# KiCad board brownbox.kicad_pcb
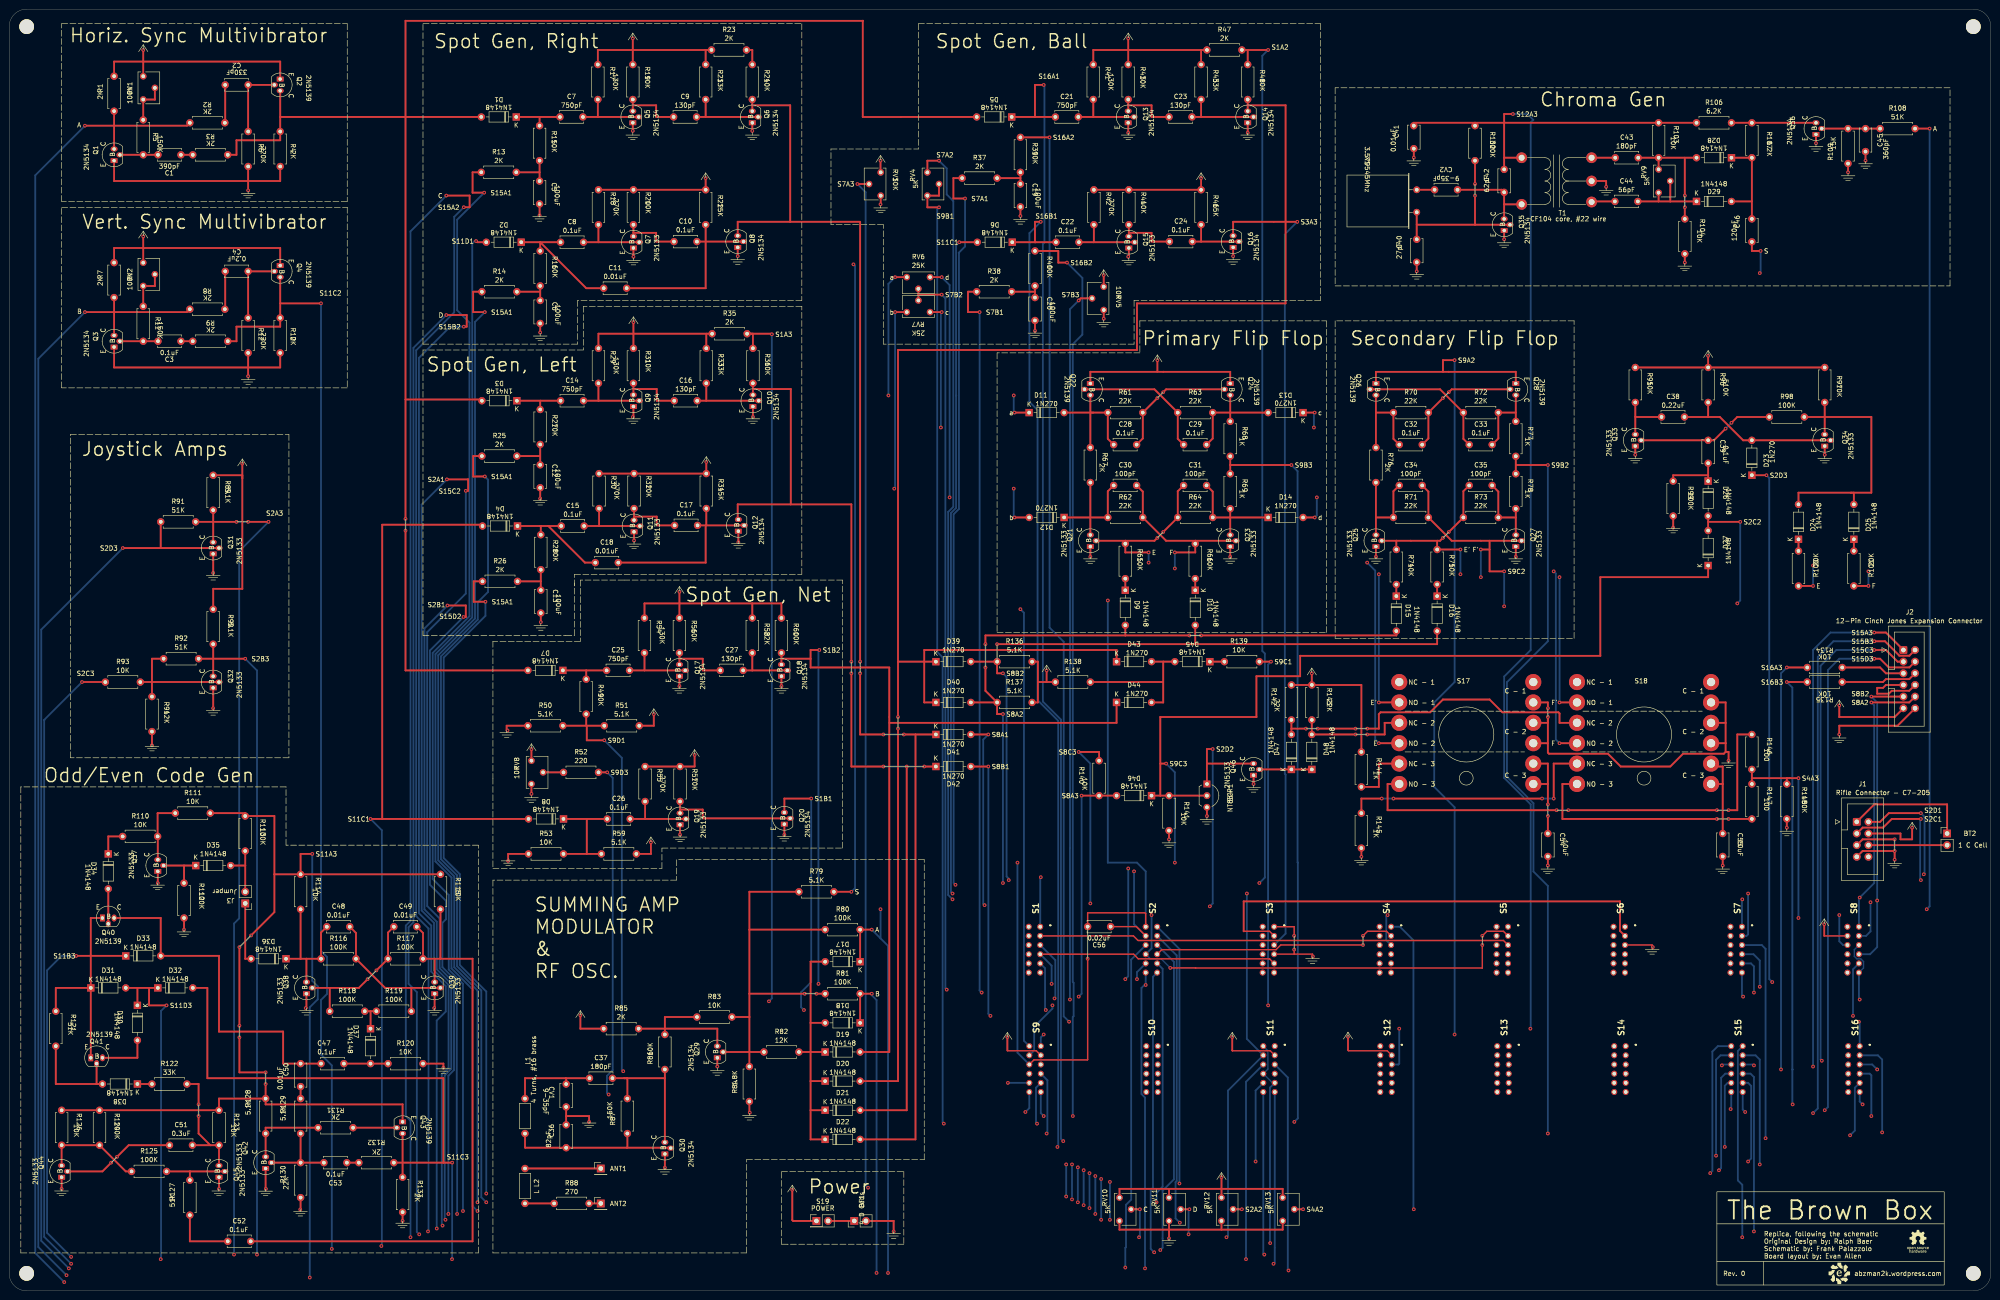
[diagram p0: board, top side]
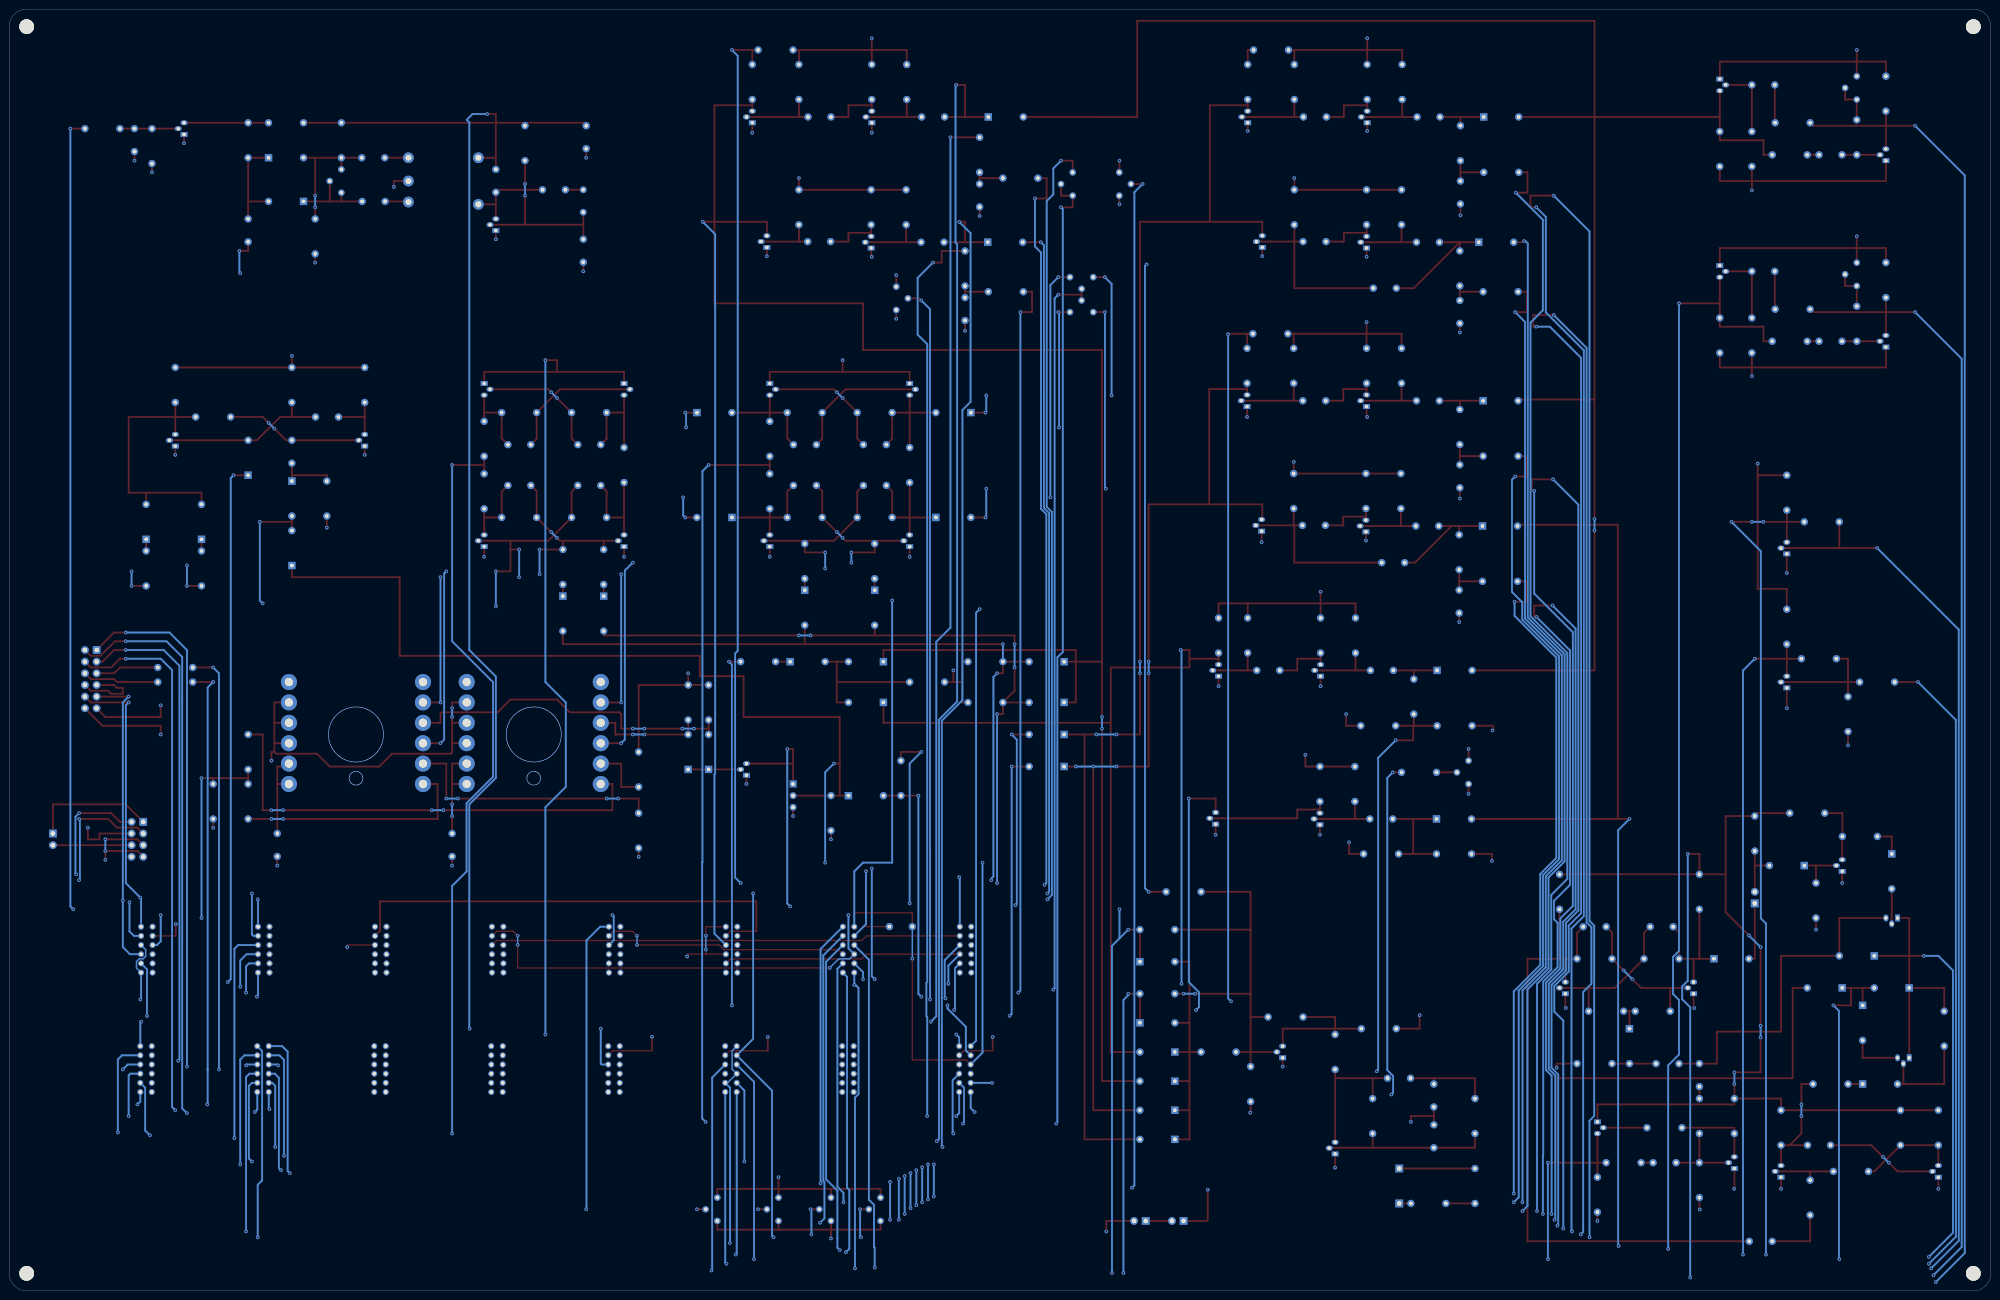
[diagram p1: board, bottom side, seen from below]

Outline 431.8 x 279.4 mm; copper layers: Top, In1.Cu, In2.Cu, Bottom. Coordinates in mm from the lower left corner of the outline.
Outline path: 0,275.59 0,3.81 arc(1.12,1.12) 3.81,0 427.99,0 arc(430.68,1.12) 431.8,3.81 431.8,275.59 arc(430.68,278.28) 427.99,279.4 3.81,279.4 arc(1.12,278.28) 0,275.59
Stack: Top 0.035mm / dielectric 0.1mm FR4 er 4.5 / In1.Cu 0.035mm / dielectric 1.24mm FR4 er 4.5 / In2.Cu 0.035mm / dielectric 0.1mm FR4 er 4.5 / Bottom 0.035mm

## Placement (name value [footprint] x y rotation side)
BT1  4 D Cells  [PinHeader_1x02_P2.54mm_Vertical]  184.15 15.24 90 top
BT2  1 C Cell  [PinHeader_1x02_P2.54mm_Vertical]  422.28 99.69 0 top
C1  390pF  [C_Disc_D5.0mm_W2.5mm_P5.00mm]  32.42 247.65 0 top
C2  330pF  [C_Disc_D5.0mm_W2.5mm_P5.00mm]  52.07 262.89 180 top
C3  0.1uF  [C_Disc_D5.0mm_W2.5mm_P5.00mm]  32.42 207.01 0 top
C4  0.2uF  [C_Disc_D5.0mm_W2.5mm_P5.00mm]  52.07 222.25 180 top
C5  100uF  [C_Disc_D5.0mm_W2.5mm_P5.00mm]  115.57 241.94 270 top
C6  100uF  [C_Disc_D5.0mm_W2.5mm_P5.00mm]  115.7 215.9 270 top
C7  750pF  [C_Disc_D5.0mm_W2.5mm_P5.00mm]  120.02 255.9 0 top
C8  0.1uF  [C_Disc_D5.0mm_W2.5mm_P5.00mm]  120.15 228.6 0 top
C9  130pF  [C_Disc_D5.0mm_W2.5mm_P5.00mm]  144.78 255.9 0 top
C10  0.1uF  [C_Disc_D5.0mm_W2.5mm_P5.00mm]  144.86 228.73 0 top
C11  0.01uF  [C_Disc_D5.0mm_W2.5mm_P5.00mm]  129.54 218.57 0 top
C12  100uF  [C_Disc_D5.0mm_W2.5mm_P5.00mm]  115.7 180.07 270 top
C13  100uF  [C_Disc_D5.0mm_W2.5mm_P5.00mm]  115.84 152.76 270 top
C14  750pF  [C_Disc_D5.0mm_W2.5mm_P5.00mm]  120.15 194.04 0 top
C15  0.1uF  [C_Disc_D5.0mm_W2.5mm_P5.00mm]  120.29 166.73 0 top
C16  130pF  [C_Disc_D5.0mm_W2.5mm_P5.00mm]  144.92 194.04 0 top
C17  0.1uF  [C_Disc_D5.0mm_W2.5mm_P5.00mm]  145 166.87 0 top
C18  0.01uF  [C_Disc_D5.0mm_W2.5mm_P5.00mm]  127.71 158.75 0 top
C19  100uF  [C_Disc_D5.0mm_W2.5mm_P5.00mm]  220.35 241.3 270 top
C20  100uF  [C_Disc_D5.0mm_W2.5mm_P5.00mm]  223.52 216.53 270 top
C21  750pF  [C_Disc_D5.0mm_W2.5mm_P5.00mm]  227.97 255.9 0 top
C22  0.1uF  [C_Disc_D5.0mm_W2.5mm_P5.00mm]  228.1 228.6 0 top
C23  130pF  [C_Disc_D5.0mm_W2.5mm_P5.00mm]  252.73 255.9 0 top
C24  0.1uF  [C_Disc_D5.0mm_W2.5mm_P5.00mm]  252.81 228.73 0 top
C25  750pF  [C_Disc_D5.0mm_W2.5mm_P5.00mm]  130.18 135.25 0 top
C26  0.1uF  [C_Disc_D5.0mm_W2.5mm_P5.00mm]  130.31 102.87 0 top
C27  130pF  [C_Disc_D5.0mm_W2.5mm_P5.00mm]  154.94 135.25 0 top
C28  0.1uF  [C_Disc_D5.0mm_W2.5mm_P5.00mm]  240.67 184.47 0 top
C29  0.1uF  [C_Disc_D5.0mm_W2.5mm_P5.00mm]  255.91 184.47 0 top
C30  100pF  [C_Disc_D5.0mm_W2.5mm_P5.00mm]  240.67 175.58 0 top
C31  100pF  [C_Disc_D5.0mm_W2.5mm_P5.00mm]  255.91 175.58 0 top
C32  0.1uF  [C_Disc_D5.0mm_W2.5mm_P5.00mm]  302.9 184.47 0 top
C33  0.1uF  [C_Disc_D5.0mm_W2.5mm_P5.00mm]  318.13 184.47 0 top
C34  100pF  [C_Disc_D5.0mm_W2.5mm_P5.00mm]  302.9 175.58 0 top
C35  100pF  [C_Disc_D5.0mm_W2.5mm_P5.00mm]  318.13 175.58 0 top
C36  82pF  [C_Disc_D5.0mm_W2.5mm_P5.00mm]  121.36 31.19 90 top
C37  180pF  [C_Disc_D5.0mm_W2.5mm_P5.00mm]  126.45 46.35 0 top
C38  0.22uF  [C_Disc_D5.0mm_W2.5mm_P5.00mm]  360.05 190.5 0 top
C39  0.1uF  [C_Disc_D5.0mm_W2.5mm_P5.00mm]  370.2 185.42 270 top
C40  27pF  [C_Disc_D5.0mm_W2.5mm_P5.00mm]  306.7 224.23 90 top
C41  0.01uF  [C_Disc_D5.0mm_W2.5mm_P5.00mm]  306.07 249 90 top
C42  62pF  [C_Disc_D5.0mm_W2.5mm_P5.00mm]  325.75 239.47 90 top
C43  180pF  [C_Disc_D5.0mm_W2.5mm_P5.00mm]  349.97 247.01 0 top
C44  56pF  [C_Disc_D5.0mm_W2.5mm_P5.00mm]  349.88 237.49 0 top
C45  360pF  [C_Disc_D5.0mm_W2.5mm_P5.00mm]  404.5 248.36 90 top
C46  120pF  [C_Disc_D5.0mm_W2.5mm_P5.00mm]  379.73 228.68 90 top
C47  0.1uF  [C_Disc_D5.0mm_W2.5mm_P5.00mm]  67.95 49.53 0 top
C48  0.01uF  [C_Disc_D5.0mm_W2.5mm_P5.00mm]  69.21 79.37 0 top
C49  0.01uF  [C_Disc_D5.0mm_W2.5mm_P5.00mm]  83.82 79.37 0 top
C50  0.01uF  [C_Disc_D5.0mm_W2.5mm_P5.00mm]  63.5 44.53 90 top
C51  0.3uF  [C_Disc_D5.0mm_W2.5mm_P5.00mm]  34.92 31.75 0 top
C52  0.1uF  [C_Disc_D5.0mm_W2.5mm_P5.00mm]  47.62 10.79 0 top
C53  0.1uF  [C_Disc_D5.0mm_W2.5mm_P5.00mm]  68.58 27.94 0 top
C54  10uF  [C_Disc_D5.0mm_W2.5mm_P5.00mm]  335.28 99.69 270 top
C55  10uF  [C_Disc_D5.0mm_W2.5mm_P5.00mm]  373.38 99.69 270 top
C56  0.02uF  [C_Disc_D5.0mm_W2.5mm_P5.00mm]  235 79.4 0 top
CV1  9-35pF  [C_Disc_D5.0mm_W2.5mm_P5.00mm]  121.36 45.08 270 top
CV2  9-35pF  [C_Disc_D5.0mm_W2.5mm_P5.00mm]  315.6 240.03 180 top
D1  1N4148  [D_DO-35_SOD27_P7.62mm_Horizontal]  110.49 255.9 180 top
D2  1N4148  [D_DO-35_SOD27_P7.62mm_Horizontal]  111.58 228.6 180 top
D3  1N4148  [D_DO-35_SOD27_P7.62mm_Horizontal]  110.62 194.04 180 top
D4  1N4148  [D_DO-35_SOD27_P7.62mm_Horizontal]  110.76 166.73 180 top
D5  1N4148  [D_DO-35_SOD27_P7.62mm_Horizontal]  218.44 255.9 180 top
D6  1N4148  [D_DO-35_SOD27_P7.62mm_Horizontal]  218.57 228.6 180 top
D7  1N4148  [D_DO-35_SOD27_P7.62mm_Horizontal]  120.65 135.25 180 top
D8  1N4148  [D_DO-35_SOD27_P7.62mm_Horizontal]  120.79 102.87 180 top
D9  1N4148  [D_DO-35_SOD27_P7.62mm_Horizontal]  243.2 152.72 270 top
D10  1N4148  [D_DO-35_SOD27_P7.62mm_Horizontal]  258.44 152.72 270 top
D11  1N270  [D_DO-35_SOD27_P7.62mm_Horizontal]  222.25 191.45 0 top
D12  1N270  [D_DO-35_SOD27_P7.62mm_Horizontal]  229.87 168.59 180 top
D13  1N270  [D_DO-35_SOD27_P7.62mm_Horizontal]  281.94 191.45 180 top
D14  1N270  [D_DO-35_SOD27_P7.62mm_Horizontal]  274.32 168.59 0 top
D15  1N4148  [D_DO-35_SOD27_P7.62mm_Horizontal]  302.26 151.45 270 top
D16  1N4148  [D_DO-35_SOD27_P7.62mm_Horizontal]  311.15 151.45 270 top
D17  1N4148  [D_DO-35_SOD27_P7.62mm_Horizontal]  185.42 71.75 180 top
D18  1N4148  [D_DO-35_SOD27_P7.62mm_Horizontal]  185.42 58.42 180 top
D19  1N4148  [D_DO-35_SOD27_P7.62mm_Horizontal]  177.8 52.07 0 top
D20  1N4148  [D_DO-35_SOD27_P7.62mm_Horizontal]  177.8 45.72 0 top
D21  1N4148  [D_DO-35_SOD27_P7.62mm_Horizontal]  177.8 39.37 0 top
D22  1N4148  [D_DO-35_SOD27_P7.62mm_Horizontal]  177.8 33.02 0 top
D23  1N270  [D_DO-35_SOD27_P7.62mm_Horizontal]  379.73 177.8 90 top
D24  1N4148  [D_DO-35_SOD27_P7.62mm_Horizontal]  389.89 163.83 90 top
D25  1N4148  [D_DO-35_SOD27_P7.62mm_Horizontal]  401.95 163.83 90 top
D26  1N4148  [D_DO-35_SOD27_P7.62mm_Horizontal]  370.2 176.53 270 top
D27  1N4148  [D_DO-35_SOD27_P7.62mm_Horizontal]  370.2 158.11 90 top
D28  1N4148  [D_DO-35_SOD27_P7.62mm_Horizontal]  375.29 247.01 180 top
D29  1N4148  [D_DO-35_SOD27_P7.62mm_Horizontal]  367.67 237.49 0 top
D30  1N4148  [D_DO-35_SOD27_P7.62mm_Horizontal]  27.94 62.23 270 top
D31  1N4148  [D_DO-35_SOD27_P7.62mm_Horizontal]  17.78 66.04 0 top
D32  1N4148  [D_DO-35_SOD27_P7.62mm_Horizontal]  32.38 66.04 0 top
D33  1N4148  [D_DO-35_SOD27_P7.62mm_Horizontal]  25.4 73.02 0 top
D34  1N4148  [D_DO-35_SOD27_P7.62mm_Horizontal]  21.59 95.25 270 top
D35  1N4148  [D_DO-35_SOD27_P7.62mm_Horizontal]  40.64 92.71 0 top
D36  1N4148  [D_DO-35_SOD27_P7.62mm_Horizontal]  60.33 72.39 180 top
D37  1N4148  [D_DO-35_SOD27_P7.62mm_Horizontal]  78.74 57.15 270 top
D38  1N4148  [D_DO-35_SOD27_P7.62mm_Horizontal]  27.94 45.08 180 top
D39  1N270  [D_DO-35_SOD27_P7.62mm_Horizontal]  201.93 137.16 0 top
D40  1N270  [D_DO-35_SOD27_P7.62mm_Horizontal]  201.93 128.27 0 top
D41  1N270  [D_DO-35_SOD27_P7.62mm_Horizontal]  201.93 121.28 0 top
D42  1N270  [D_DO-35_SOD27_P7.62mm_Horizontal]  201.93 114.3 0 top
D43  1N270  [D_DO-35_SOD27_P7.62mm_Horizontal]  241.3 137.16 0 top
D44  1N270  [D_DO-35_SOD27_P7.62mm_Horizontal]  241.3 128.27 0 top
D45  1N4148  [D_DO-35_SOD27_P7.62mm_Horizontal]  261.62 137.16 180 top
D46  1N4148  [D_DO-35_SOD27_P7.62mm_Horizontal]  248.92 107.95 180 top
D47  1N4148  [D_DO-35_SOD27_P7.62mm_Horizontal]  279.4 113.66 90 top
D48  1N4148  [D_DO-35_SOD27_P7.62mm_Horizontal]  283.85 113.66 90 top
G***  LOGO  [Evan Logo]  398.78 3.81 0 top
G***#2  LOGO  [OSHW gear]  415.93 10.79 0 top
J1  Rifle Connector - C7-205  [IDC-Header_2x04_P2.54mm_Vertical]  402.59 102.23 0 top
J2  12-Pin Cinch Jones Expansion Connector  [IDC-Header_2x06_P2.54mm_Vertical]  412.75 139.7 0 top
J3  Jumper  [PinHeader_1x02_P2.54mm_Vertical]  51.44 84.45 180 top
L1  4 Turns, #16 brass  [L_Axial_L5.3mm_D2.2mm_P7.62mm_Horizontal_Vishay_IM-1]  112.39 34.29 90 top
L2  L  [L_Axial_L5.3mm_D2.2mm_P7.62mm_Horizontal_Vishay_IM-1]  112.39 19.05 90 top
Q1  2N5134  [TO-92_Offset_TO-106_EBC]  22.86 246.38 90 top
Q2  2N5139  [TO-92_Offset_TO-106_EBC]  59.05 264.16 270 top
Q3  2N5134  [TO-92_Offset_TO-106_EBC]  22.86 205.74 90 top
Q4  2N5139  [TO-92_Offset_TO-106_EBC]  59.05 223.52 270 top
Q5  2N5134  [TO-92_Offset_TO-106_EBC]  135.89 254.63 90 top
Q6  2N5134  [TO-92_Offset_TO-106_EBC]  161.93 254.63 90 top
Q7  2N5133  [TO-92_Offset_TO-106_EBC]  136.02 227.33 90 top
Q8  2N5134  [TO-92_Offset_TO-106_EBC]  158.75 227.46 90 top
Q9  2N5134  [TO-92_Offset_TO-106_EBC]  136.02 192.77 90 top
Q10  2N5134  [TO-92_Offset_TO-106_EBC]  162.06 192.77 90 top
Q11  2N5133  [TO-92_Offset_TO-106_EBC]  136.16 165.46 90 top
Q12  2N5134  [TO-92_Offset_TO-106_EBC]  158.88 165.6 90 top
Q13  2N5134  [TO-92_Offset_TO-106_EBC]  243.84 254.63 90 top
Q14  2N5134  [TO-92_Offset_TO-106_EBC]  269.88 254.63 90 top
Q15  2N5133  [TO-92_Offset_TO-106_EBC]  243.98 227.33 90 top
Q16  2N5134  [TO-92_Offset_TO-106_EBC]  266.7 227.46 90 top
Q17  2N5134  [TO-92_Offset_TO-106_EBC]  146.05 133.98 90 top
Q18  2N5134  [TO-92_Offset_TO-106_EBC]  168.27 133.98 90 top
Q19  2N5133  [TO-92_Offset_TO-106_EBC]  146.19 101.6 90 top
Q20  2N5134  [TO-92_Offset_TO-106_EBC]  168.91 101.73 90 top
Q21  2N5133  [TO-92_Offset_TO-106_EBC]  235.59 162.24 90 top
Q22  2N5139  [TO-92_Offset_TO-106_EBC]  235.59 197.8 270 top
Q23  2N5133  [TO-92_Offset_TO-106_EBC]  266.06 162.24 90 top
Q24  2N5139  [TO-92_Offset_TO-106_EBC]  266.06 197.8 270 top
Q25  2N5133  [TO-92_Offset_TO-106_EBC]  297.81 162.24 90 top
Q26  2N5139  [TO-92_Offset_TO-106_EBC]  297.81 197.8 270 top
Q27  2N5133  [TO-92_Offset_TO-106_EBC]  328.3 162.24 90 top
Q28  2N5139  [TO-92_Offset_TO-106_EBC]  328.3 197.8 270 top
Q29  2N5134  [TO-92_Offset_TO-106_EBC]  154.31 50.8 90 top
Q30  2N5134  [TO-92_Offset_TO-106_EBC]  142.88 29.84 90 top
Q31  2N5133  [TO-92_Offset_TO-106_EBC]  44.45 160.65 90 top
Q32  2N5133  [TO-92_Offset_TO-106_EBC]  44.45 131.44 90 top
Q33  2N5133  [TO-92_Offset_TO-106_EBC]  354.33 184.15 90 top
Q34  2N5133  [TO-92_Offset_TO-106_EBC]  395.61 184.15 90 top
Q35  2N5134  [TO-92_Offset_TO-106_EBC]  325.75 231.14 90 top
Q36  2N5134  [TO-92_Offset_TO-106_EBC]  393.7 252.09 90 top
Q37  2N5133  [TO-92_Offset_TO-106_EBC]  32.38 91.44 90 top
Q38  2N5133  [TO-92_Offset_TO-106_EBC]  64.77 64.77 90 top
Q39  2N5133  [TO-92_Offset_TO-106_EBC]  92.71 64.77 90 top
Q40  2N5139  [TO-92_Offset_TO-106_EBC]  20.32 81.28 0 top
Q41  2N5139  [TO-92_Offset_TO-106_EBC]  17.78 50.8 0 top
Q42  2N5133  [TO-92_Offset_TO-106_EBC]  55.88 26.67 90 top
Q43  2N5139  [TO-92_Offset_TO-106_EBC]  85.73 36.83 270 top
Q44  2N5133  [TO-92_Offset_TO-106_EBC]  11.43 24.76 90 top
Q45  2N5133  [TO-92_Offset_TO-106_EBC]  45.72 24.76 90 top
Q46  2N5133  [TO-92_Offset_TO-106_EBC]  271.15 112.39 90 top
R1  2K  [R_Axial_DIN0207_L6.3mm_D2.5mm_P7.62mm_Horizontal]  22.86 257.17 90 top
R2  2K  [R_Axial_DIN0207_L6.3mm_D2.5mm_P7.62mm_Horizontal]  46.99 254.63 180 top
R3  2K  [R_Axial_DIN0207_L6.3mm_D2.5mm_P7.62mm_Horizontal]  47.62 247.65 180 top
R4  2K  [R_Axial_DIN0207_L6.3mm_D2.5mm_P7.62mm_Horizontal]  59.05 252.73 270 top
R5  150K  [R_Axial_DIN0207_L6.3mm_D2.5mm_P7.62mm_Horizontal]  29.21 255.27 270 top
R6  220K  [R_Axial_DIN0207_L6.3mm_D2.5mm_P7.62mm_Horizontal]  52.07 252.73 270 top
R7  2K  [R_Axial_DIN0207_L6.3mm_D2.5mm_P7.62mm_Horizontal]  22.86 216.53 90 top
R8  2K  [R_Axial_DIN0207_L6.3mm_D2.5mm_P7.62mm_Horizontal]  46.99 213.99 180 top
R9  2K  [R_Axial_DIN0207_L6.3mm_D2.5mm_P7.62mm_Horizontal]  47.62 207.01 180 top
R10  2K  [R_Axial_DIN0207_L6.3mm_D2.5mm_P7.62mm_Horizontal]  59.05 212.09 270 top
R11  150K  [R_Axial_DIN0207_L6.3mm_D2.5mm_P7.62mm_Horizontal]  29.21 214.63 270 top
R12  220K  [R_Axial_DIN0207_L6.3mm_D2.5mm_P7.62mm_Horizontal]  52.07 212.09 270 top
R13  2K  [R_Axial_DIN0207_L6.3mm_D2.5mm_P7.62mm_Horizontal]  102.87 243.84 0 top
R14  2K  [R_Axial_DIN0207_L6.3mm_D2.5mm_P7.62mm_Horizontal]  103.01 217.8 0 top
R15  10K  [R_Axial_DIN0207_L6.3mm_D2.5mm_P7.62mm_Horizontal]  115.57 254 270 top
R16  10K  [R_Axial_DIN0207_L6.3mm_D2.5mm_P7.62mm_Horizontal]  115.7 226.69 270 top
R17  130K  [R_Axial_DIN0207_L6.3mm_D2.5mm_P7.62mm_Horizontal]  128.27 267.33 270 top
R18  270K  [R_Axial_DIN0207_L6.3mm_D2.5mm_P7.62mm_Horizontal]  128.4 240.03 270 top
R19  10K  [R_Axial_DIN0207_L6.3mm_D2.5mm_P7.62mm_Horizontal]  135.89 267.33 270 top
R20  10K  [R_Axial_DIN0207_L6.3mm_D2.5mm_P7.62mm_Horizontal]  136.02 240.03 270 top
R21  33K  [R_Axial_DIN0207_L6.3mm_D2.5mm_P7.62mm_Horizontal]  151.76 267.33 270 top
R22  15K  [R_Axial_DIN0207_L6.3mm_D2.5mm_P7.62mm_Horizontal]  151.76 240.03 270 top
R23  2K  [R_Axial_DIN0207_L6.3mm_D2.5mm_P7.62mm_Horizontal]  153.04 270.51 0 top
R24  10K  [R_Axial_DIN0207_L6.3mm_D2.5mm_P7.62mm_Horizontal]  161.93 267.33 270 top
R25  2K  [R_Axial_DIN0207_L6.3mm_D2.5mm_P7.62mm_Horizontal]  103.01 181.97 0 top
R26  2K  [R_Axial_DIN0207_L6.3mm_D2.5mm_P7.62mm_Horizontal]  103.14 154.67 0 top
R27  10K  [R_Axial_DIN0207_L6.3mm_D2.5mm_P7.62mm_Horizontal]  115.7 192.13 270 top
R28  10K  [R_Axial_DIN0207_L6.3mm_D2.5mm_P7.62mm_Horizontal]  115.84 164.83 270 top
R29  130K  [R_Axial_DIN0207_L6.3mm_D2.5mm_P7.62mm_Horizontal]  128.4 205.47 270 top
R30  270K  [R_Axial_DIN0207_L6.3mm_D2.5mm_P7.62mm_Horizontal]  128.54 178.16 270 top
R31  10K  [R_Axial_DIN0207_L6.3mm_D2.5mm_P7.62mm_Horizontal]  136.02 205.47 270 top
R32  10K  [R_Axial_DIN0207_L6.3mm_D2.5mm_P7.62mm_Horizontal]  136.16 178.16 270 top
R33  33K  [R_Axial_DIN0207_L6.3mm_D2.5mm_P7.62mm_Horizontal]  151.9 205.47 270 top
R34  15K  [R_Axial_DIN0207_L6.3mm_D2.5mm_P7.62mm_Horizontal]  151.9 178.16 270 top
R35  2K  [R_Axial_DIN0207_L6.3mm_D2.5mm_P7.62mm_Horizontal]  153.17 208.64 0 top
R36  10K  [R_Axial_DIN0207_L6.3mm_D2.5mm_P7.62mm_Horizontal]  162.06 205.47 270 top
R37  2K  [R_Axial_DIN0207_L6.3mm_D2.5mm_P7.62mm_Horizontal]  207.65 242.57 0 top
R38  2K  [R_Axial_DIN0207_L6.3mm_D2.5mm_P7.62mm_Horizontal]  210.82 217.8 0 top
R39  10K  [R_Axial_DIN0207_L6.3mm_D2.5mm_P7.62mm_Horizontal]  220.35 251.46 270 top
R40  10K  [R_Axial_DIN0207_L6.3mm_D2.5mm_P7.62mm_Horizontal]  223.52 226.69 270 top
R41  130K  [R_Axial_DIN0207_L6.3mm_D2.5mm_P7.62mm_Horizontal]  236.22 267.33 270 top
R42  270K  [R_Axial_DIN0207_L6.3mm_D2.5mm_P7.62mm_Horizontal]  236.36 240.03 270 top
R43  10K  [R_Axial_DIN0207_L6.3mm_D2.5mm_P7.62mm_Horizontal]  243.84 267.33 270 top
R44  10K  [R_Axial_DIN0207_L6.3mm_D2.5mm_P7.62mm_Horizontal]  243.98 240.03 270 top
R45  33K  [R_Axial_DIN0207_L6.3mm_D2.5mm_P7.62mm_Horizontal]  259.72 267.33 270 top
R46  15K  [R_Axial_DIN0207_L6.3mm_D2.5mm_P7.62mm_Horizontal]  259.72 240.03 270 top
R47  2K  [R_Axial_DIN0207_L6.3mm_D2.5mm_P7.62mm_Horizontal]  260.99 270.51 0 top
R48  10K  [R_Axial_DIN0207_L6.3mm_D2.5mm_P7.62mm_Horizontal]  269.88 267.33 270 top
R49  10K  [R_Axial_DIN0207_L6.3mm_D2.5mm_P7.62mm_Horizontal]  125.73 133.35 270 top
R50  5.1K  [R_Axial_DIN0207_L6.3mm_D2.5mm_P7.62mm_Horizontal]  113.03 123.19 0 top
R51  5.1K  [R_Axial_DIN0207_L6.3mm_D2.5mm_P7.62mm_Horizontal]  129.68 123.19 0 top
R52  220  [R_Axial_DIN0207_L6.3mm_D2.5mm_P7.62mm_Horizontal]  120.79 113.03 0 top
R53  10K  [R_Axial_DIN0207_L6.3mm_D2.5mm_P7.62mm_Horizontal]  113.17 95.25 0 top
R54  130K  [R_Axial_DIN0207_L6.3mm_D2.5mm_P7.62mm_Horizontal]  138.43 146.68 270 top
R55  270K  [R_Axial_DIN0207_L6.3mm_D2.5mm_P7.62mm_Horizontal]  138.56 114.3 270 top
R56  10K  [R_Axial_DIN0207_L6.3mm_D2.5mm_P7.62mm_Horizontal]  146.05 146.68 270 top
R57  10K  [R_Axial_DIN0207_L6.3mm_D2.5mm_P7.62mm_Horizontal]  146.19 114.3 270 top
R58  22K  [R_Axial_DIN0207_L6.3mm_D2.5mm_P7.62mm_Horizontal]  161.93 146.68 270 top
R59  5.1K  [R_Axial_DIN0207_L6.3mm_D2.5mm_P7.62mm_Horizontal]  129.04 95.25 0 top
R60  10K  [R_Axial_DIN0207_L6.3mm_D2.5mm_P7.62mm_Horizontal]  168.27 146.68 270 top
R61  22K  [R_Axial_DIN0207_L6.3mm_D2.5mm_P7.62mm_Horizontal]  239.4 191.45 0 top
R62  22K  [R_Axial_DIN0207_L6.3mm_D2.5mm_P7.62mm_Horizontal]  239.4 168.59 0 top
R63  22K  [R_Axial_DIN0207_L6.3mm_D2.5mm_P7.62mm_Horizontal]  254.63 191.45 0 top
R64  22K  [R_Axial_DIN0207_L6.3mm_D2.5mm_P7.62mm_Horizontal]  254.63 168.59 0 top
R65  10K  [R_Axial_DIN0207_L6.3mm_D2.5mm_P7.62mm_Horizontal]  243.2 162.88 270 top
R66  10K  [R_Axial_DIN0207_L6.3mm_D2.5mm_P7.62mm_Horizontal]  258.44 162.88 270 top
R67  2K  [R_Axial_DIN0207_L6.3mm_D2.5mm_P7.62mm_Horizontal]  235.59 183.83 270 top
R68  1K  [R_Axial_DIN0207_L6.3mm_D2.5mm_P7.62mm_Horizontal]  266.06 189.55 270 top
R69  1K  [R_Axial_DIN0207_L6.3mm_D2.5mm_P7.62mm_Horizontal]  266.06 178.12 270 top
R70  22K  [R_Axial_DIN0207_L6.3mm_D2.5mm_P7.62mm_Horizontal]  301.62 191.45 0 top
R71  22K  [R_Axial_DIN0207_L6.3mm_D2.5mm_P7.62mm_Horizontal]  301.62 168.59 0 top
R72  22K  [R_Axial_DIN0207_L6.3mm_D2.5mm_P7.62mm_Horizontal]  316.87 191.45 0 top
R73  22K  [R_Axial_DIN0207_L6.3mm_D2.5mm_P7.62mm_Horizontal]  316.87 168.59 0 top
R74  10K  [R_Axial_DIN0207_L6.3mm_D2.5mm_P7.62mm_Horizontal]  302.26 161.61 270 top
R75  10K  [R_Axial_DIN0207_L6.3mm_D2.5mm_P7.62mm_Horizontal]  311.15 161.61 270 top
R76  2K  [R_Axial_DIN0207_L6.3mm_D2.5mm_P7.62mm_Horizontal]  297.81 183.83 270 top
R77  1K  [R_Axial_DIN0207_L6.3mm_D2.5mm_P7.62mm_Horizontal]  328.3 189.55 270 top
R78  1K  [R_Axial_DIN0207_L6.3mm_D2.5mm_P7.62mm_Horizontal]  328.3 178.12 270 top
R79  5.1K  [R_Axial_DIN0207_L6.3mm_D2.5mm_P7.62mm_Horizontal]  172.08 86.99 0 top
R80  100K  [R_Axial_DIN0207_L6.3mm_D2.5mm_P7.62mm_Horizontal]  177.8 78.74 0 top
R81  100K  [R_Axial_DIN0207_L6.3mm_D2.5mm_P7.62mm_Horizontal]  177.8 64.77 0 top
R82  12K  [R_Axial_DIN0207_L6.3mm_D2.5mm_P7.62mm_Horizontal]  164.46 52.07 0 top
R83  10K  [R_Axial_DIN0207_L6.3mm_D2.5mm_P7.62mm_Horizontal]  149.86 59.69 0 top
R84  1.8K  [R_Axial_DIN0207_L6.3mm_D2.5mm_P7.62mm_Horizontal]  161.29 41.27 90 top
R85  2K  [R_Axial_DIN0207_L6.3mm_D2.5mm_P7.62mm_Horizontal]  129.54 57.15 0 top
R86  10K  [R_Axial_DIN0207_L6.3mm_D2.5mm_P7.62mm_Horizontal]  142.88 48.26 90 top
R87  150K  [R_Axial_DIN0207_L6.3mm_D2.5mm_P7.62mm_Horizontal]  134.7 34.29 90 top
R88  270  [R_Axial_DIN0207_L6.3mm_D2.5mm_P7.62mm_Horizontal]  118.74 19.05 0 top
R89  5.1K  [R_Axial_DIN0207_L6.3mm_D2.5mm_P7.62mm_Horizontal]  44.45 177.8 270 top
R90  5.1K  [R_Axial_DIN0207_L6.3mm_D2.5mm_P7.62mm_Horizontal]  44.45 148.59 270 top
R91  51K  [R_Axial_DIN0207_L6.3mm_D2.5mm_P7.62mm_Horizontal]  33.02 167.64 0 top
R92  51K  [R_Axial_DIN0207_L6.3mm_D2.5mm_P7.62mm_Horizontal]  33.66 137.79 0 top
R93  10K  [R_Axial_DIN0207_L6.3mm_D2.5mm_P7.62mm_Horizontal]  20.95 132.71 0 top
R94  12K  [R_Axial_DIN0207_L6.3mm_D2.5mm_P7.62mm_Horizontal]  31.11 129.54 270 top
R95  10K  [R_Axial_DIN0207_L6.3mm_D2.5mm_P7.62mm_Horizontal]  354.33 201.29 270 top
R96  510K  [R_Axial_DIN0207_L6.3mm_D2.5mm_P7.62mm_Horizontal]  370.2 201.29 270 top
R97  10K  [R_Axial_DIN0207_L6.3mm_D2.5mm_P7.62mm_Horizontal]  395.61 201.29 270 top
R98  100K  [R_Axial_DIN0207_L6.3mm_D2.5mm_P7.62mm_Horizontal]  383.54 190.5 0 top
R99  100K  [R_Axial_DIN0207_L6.3mm_D2.5mm_P7.62mm_Horizontal]  362.59 176.53 270 top
R100  20K  [R_Axial_DIN0207_L6.3mm_D2.5mm_P7.62mm_Horizontal]  389.89 153.67 90 top
R101  20K  [R_Axial_DIN0207_L6.3mm_D2.5mm_P7.62mm_Horizontal]  401.95 153.67 90 top
R102  300K  [R_Axial_DIN0207_L6.3mm_D2.5mm_P7.62mm_Horizontal]  319.41 254 270 top
R103  10K  [R_Axial_DIN0207_L6.3mm_D2.5mm_P7.62mm_Horizontal]  359.41 254.63 270 top
R104  10K  [R_Axial_DIN0207_L6.3mm_D2.5mm_P7.62mm_Horizontal]  365.12 233.68 270 top
R106  6.2K  [R_Axial_DIN0207_L6.3mm_D2.5mm_P7.62mm_Horizontal]  367.67 254.63 0 top
R107  6.2K  [R_Axial_DIN0207_L6.3mm_D2.5mm_P7.62mm_Horizontal]  379.73 254.63 270 top
R108  51K  [R_Axial_DIN0207_L6.3mm_D2.5mm_P7.62mm_Horizontal]  407.67 253.36 0 top
R109  15K  [R_Axial_DIN0207_L6.3mm_D2.5mm_P7.62mm_Horizontal]  400.69 245.74 90 top
R110  10K  [R_Axial_DIN0207_L6.3mm_D2.5mm_P7.62mm_Horizontal]  24.72 99.06 0 top
R111  10K  [R_Axial_DIN0207_L6.3mm_D2.5mm_P7.62mm_Horizontal]  36.19 104.14 0 top
R112  100K  [R_Axial_DIN0207_L6.3mm_D2.5mm_P7.62mm_Horizontal]  38.1 88.9 270 top
R113  100K  [R_Axial_DIN0207_L6.3mm_D2.5mm_P7.62mm_Horizontal]  51.44 103.5 270 top
R114  10K  [R_Axial_DIN0207_L6.3mm_D2.5mm_P7.62mm_Horizontal]  63.5 90.8 270 top